# Altium PCB MB1635.PcbDoc (part 3 of 10) (continued)
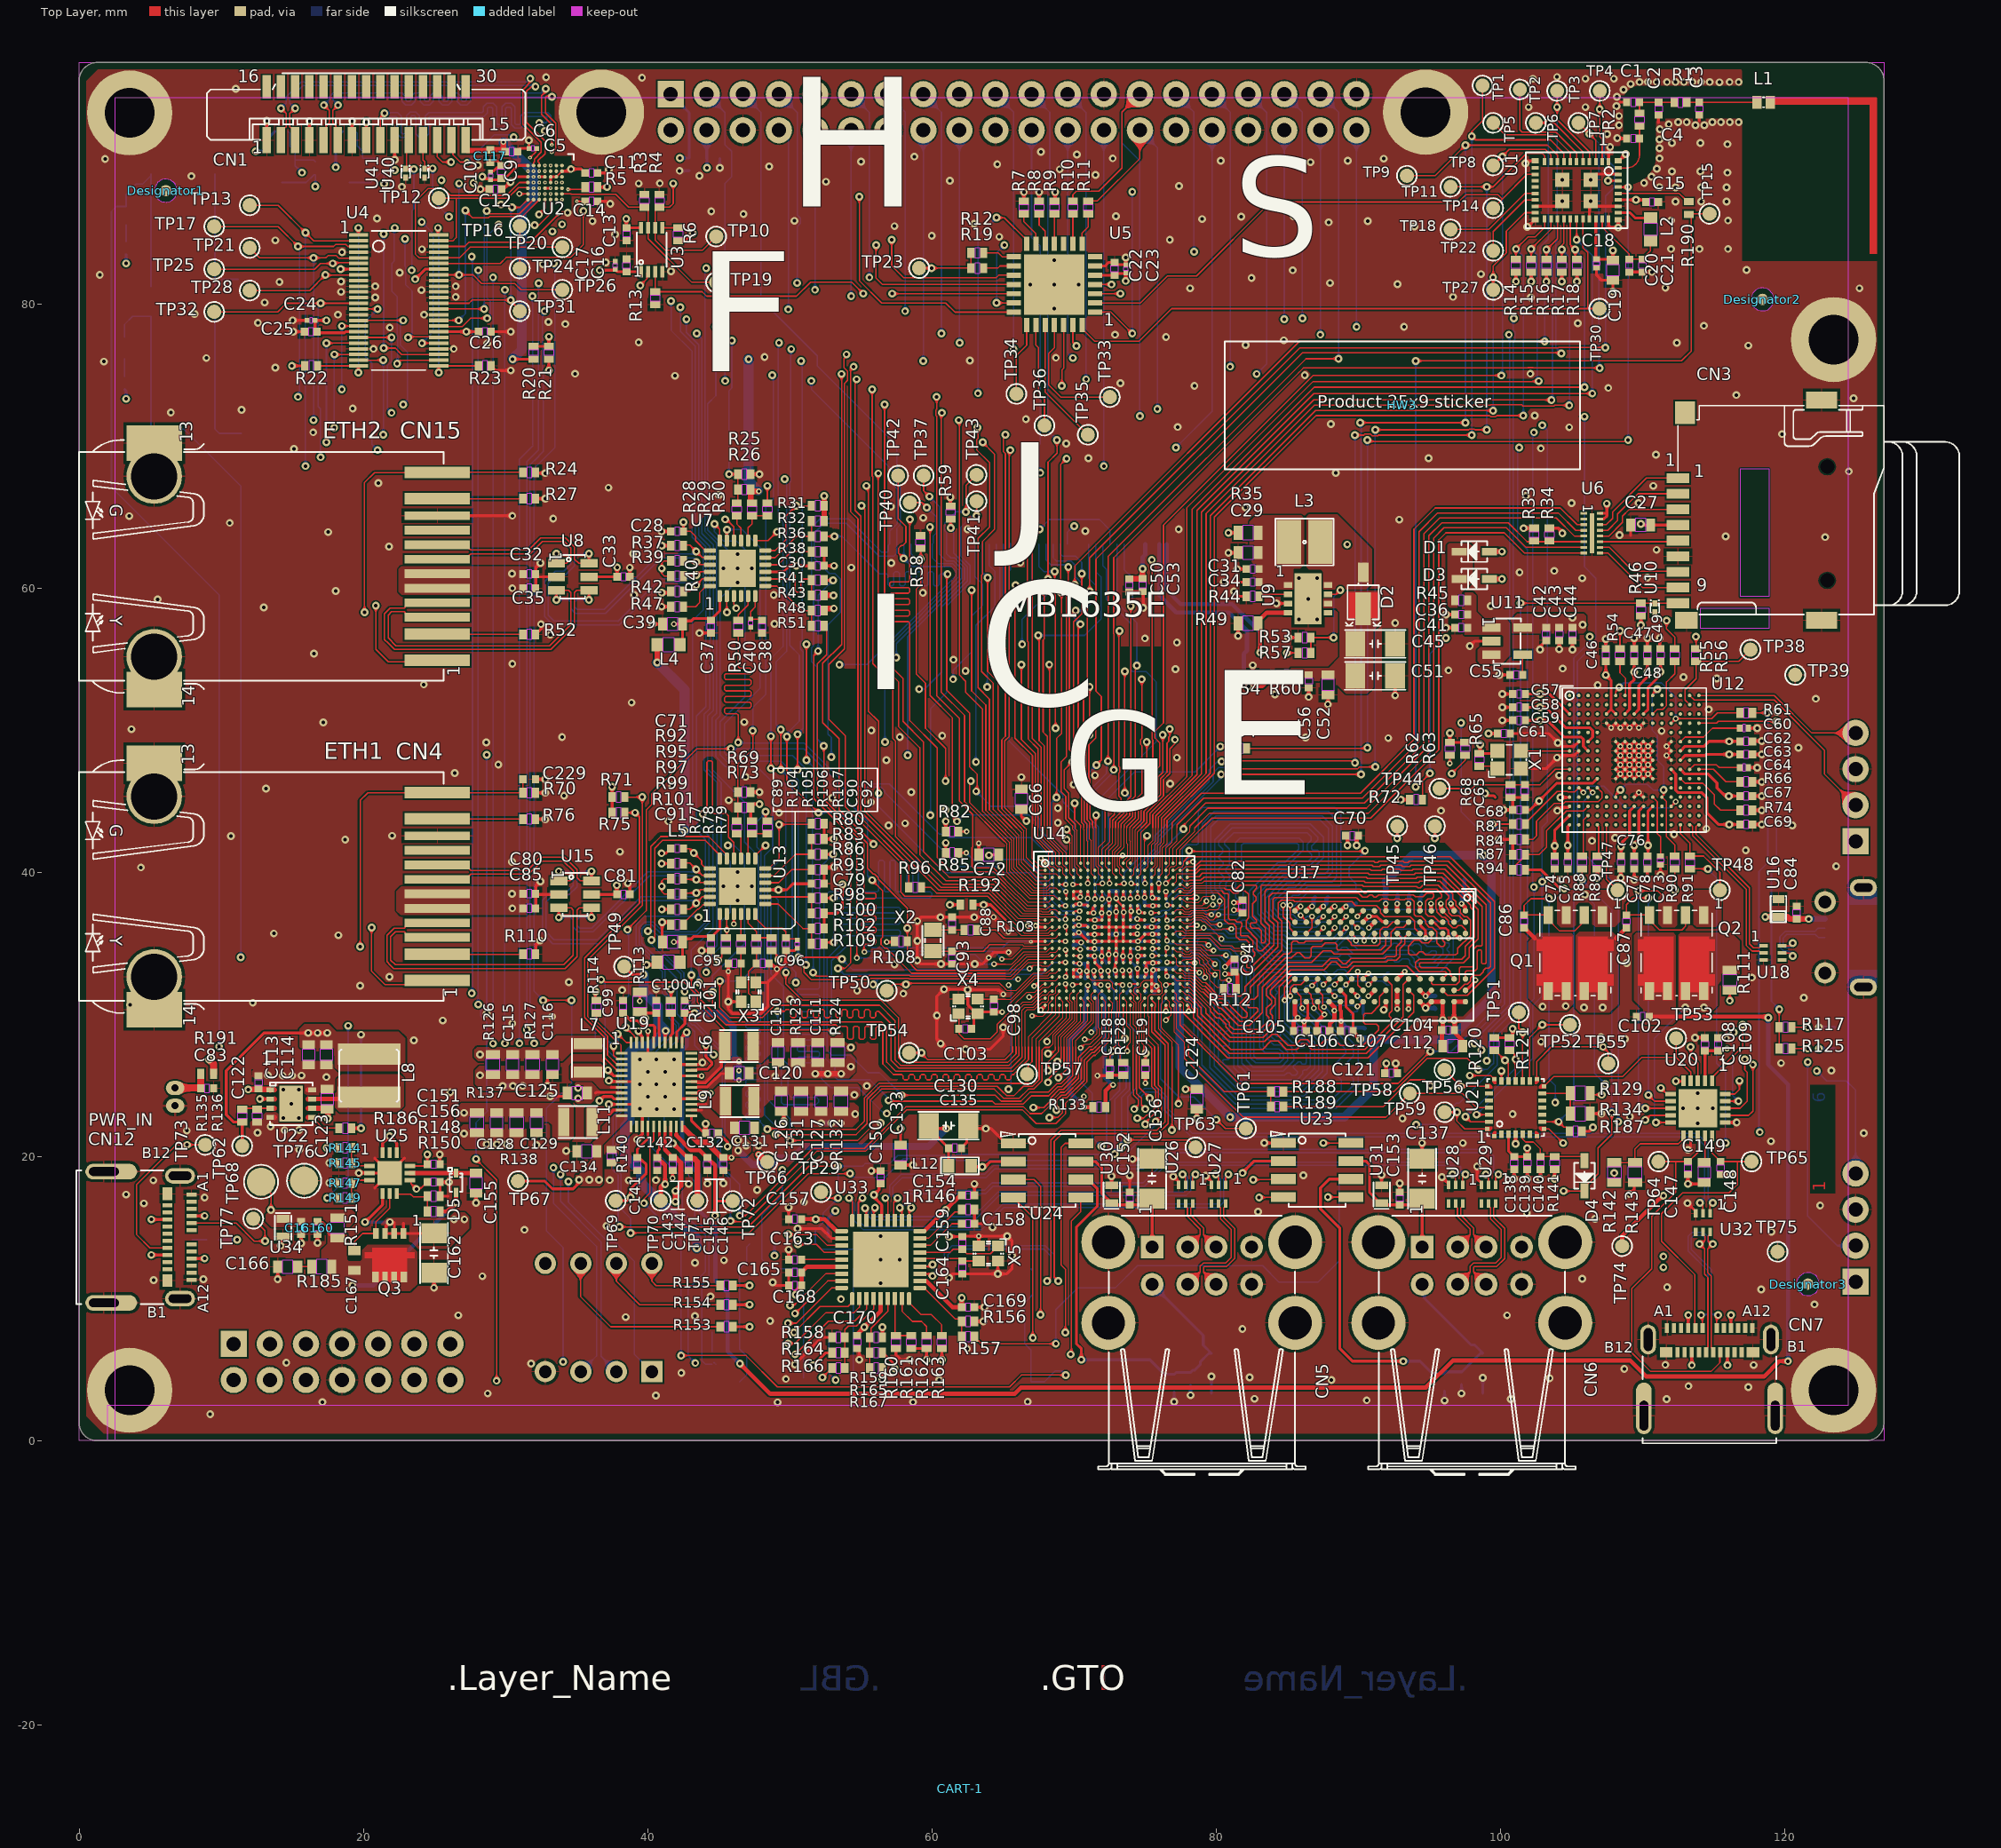
[diagram p0: Top Layer view]
## Nets (pads, with @x,y where several pads share a name; then routed paths per layer and width w, separated by ;. In a path a pad name is that pad's centre, name@x,y a point inside that pad or via, vN(x,y) a via of type N, cw(c..) or ccw(c..) an arc to the next point about the centre after c; other vN are vias at no path point) (continued)
  Top Layer w0.4: v1(118.65,36.875) U16.1@119.575,36.875 120.2,36.875 120.35,36.725 C84.2@120.85,36.725 v1(121.7,36.725)
  Signal Layer 4 w0.5: v1(100.125,60.65) 100.125,55.15 97.875,52.9 97.875,43.375 100.366,40.884 100.965,40.285 100.965,38.735 102.175,37.525 118,37.525 v1(118.65,36.875)
  Bottom Layer w0.4: v1(121.7,36.725) CN10.1@122.85,36.725
5V_VIN: C8.2 C86.2 C101.2 C120.2 C122.2 C123.2 C125.2 C130.2 C131.2 C134.2 C135.2 C143.2 C146.2 C162.1 CN8.2 CN8.4 D1.1 L12.1 Q1.5 Q1.6 Q3.1 Q3.2 Q3.3 R35.1 R152.2 TP67.1 U19.8 U19.12 U19.19 U19.22 U19.24 U19.28 U19.36 U22.1 U22.6 U25.4 | length 79.5
  Top Layer w0.2: v1(20.12,15.389) 21.345,16.614 U25.4@21.345,17.414 ; v1(21.87,15.389) 21.594,15.114 21.594,14.664 Q3.3@21.52,14.589 Q3.2@22.17,14.589 ; 22.17,15.364 Q3.2@22.17,14.589 ; 22.82,15.314 Q3.1@22.82,14.589 ; C162.1@24.97,14.614 24.945,14.589 Q3.1@22.82,14.589 ; TP67.1@30.875,18.275 32.75,18.275 33.3,17.725 34.75,17.725 35.175,18.15 v1(35.175,18.375) ; 36.34,24.475 36.391,24.526 38.124,24.526 U19.8@38.175,24.475 ; 41.225,21 U19.19@41.225,22.125 ; U19.36@42.025,28.025 42.052,28.052 42.052,28.777 42.625,29.35 C101.2@42.625,30.1 v1(43.3,30.1) ; 42.6,21.95 U19.22@42.425,22.125 42.609,22.125 ; U19.24@43.075,23.275 43.8,23.275 ; U19.28@43.075,24.875 43.48,24.875 43.506,24.901 44.204,24.901 45.15,25.847 45.747,25.847 C120.2@45.75,25.85 ; v1(61.025,21.975) 59.975,21.975 C130.2@59.775,22.175 59.775,22 C135.2@61.175,20.6 L12.1@61.175,19.35 ; v1(80.875,63.9) R35.1@81.55,63.9 ; Q3.2@22.17,14.589 Q3.1@22.82,14.589
  Top Layer w0.3: 41.225,21 41.225,20.475 C143.2@41.775,19.925 ; 42.6,21.85 42.6,21.95 ; D1.1@99.245,62.575 v1(100.125,62.575) ; C86.2@101.675,36.1 102.425,35.35
  Top Layer w0.35: v1(41.95,16.825) v1(41.95,17.575) 42.335,17.96 42.335,19.56 C143.2@41.97,19.925
  Top Layer w0.4: v1(11.9,24.725) 13.425,24.725 U22.1@13.45,24.7 ; U22.6@16.4,23.4 17.4,23.4 C123.2@17.45,23.35 17.525,23.275 17.5,23.25 v1(17.5,22.675) ; C143.2@41.775,19.925 C143.2@41.97,19.925 ; 42.6,21.95 43.55,21 44.15,21 C146.2@45.161,19.989 ; C146.2@45.25,19.925 v2(45.9,19.925)
  Signal Layer 1 w0.4: v1(35.175,18.375) v1(35.9,18.375) v1(36.575,18.375) ; v2(46.425,25.375) v2(46.425,26.05) v2(46.425,26.7)
  Signal Layer 2 w0.4: v2(46.425,25.375) v2(46.425,26.05) v2(46.425,26.7)
  Signal Layer 3 w0.4: v2(46.425,25.375) v2(46.425,26.05) v2(46.425,26.7)
  Signal Layer 4 w0.4: v2(46.425,25.375) v2(46.425,26.05) v2(46.425,26.7)
  Bottom Layer w0.2: R152.2@9.875,14.15 v1(11.125,14.15) ; v1(20.12,15.389) v1(21.87,15.389) ; CN8.4@44.16,92.23 44.16,90.24 C8.2@44.175,90.225 v1(44.175,89.575)
  Bottom Layer w0.4: v2(46.425,25.375) v2(46.425,26.05) v2(46.425,26.7)
  Bottom Layer w0.5: v1(43.3,30.1) 45.075,30.1 46.007,29.168 46.007,27.093 ; 46.007,27.732 46.007,27.093 ; v1(46.375,20.425) 47.375,19.425 48.675,19.425 49.15,19.9 50.2,19.9 51,20.7 59.75,20.7 v1(61.025,21.975) ; v2(46.425,26.7) 46.4,26.7 46.007,27.093
  other v1: 26.375,15.575 27.1,15.575 46.925,20.775 46.375,21.15 35.1,24.1 35.1,24.825 102.975,30.55 104.6,30.6
BOOT0: SW1.1 U14.Y17 | length 69.7
  Top Layer w0.075: U14.Y17@75.974,31.15 75.974,28.988 76.9,28.062 76.9,27.725
  Top Layer w0.1: v1(76.9,21.875) 76.9,27.725
  Signal Layer 2 w0.1: v1(34.425,18.25) 35.076,18.901 41.928,18.901 48.685,18.901 50.684,20.9 70.775,20.9 71.7,21.825 76.85,21.825 v1(76.9,21.875)
  Bottom Layer w0.1: v1(34.425,18.25) 34.425,16.8 37.286,13.939 37.761,13.939 39.075,12.625 39.075,6.09 SW1.1@40.3,4.865
BOOT1: SW1.2 U14.AA15 | length 67.3
  Top Layer w0.075: U14.AA15@74.974,30.65 74.975,29.471 75.115,29.331 75.115,28.285 75.675,27.725
  Top Layer w0.1: v1(75.025,22.275) 75.025,22.392 75.95,23.317 75.95,24.733 75.675,25.008 75.675,27.725
  Signal Layer 2 w0.1: v1(33.875,18.75) 33.877,18.75 34.277,19.15 48.65,19.15 50.2,20.7 ; 50.201,20.7 50.45,20.949 ; 50.45,20.95 50.825,21.325 70.858,21.325 71.808,22.275 v1(75.025,22.275)
  Bottom Layer w0.1: v1(33.875,18.75) 33.875,16.85 36.725,14 36.725,5.94 SW1.2@37.8,4.865
BOOT2: SW1.3 U14.Y15 | length 68.5
  Top Layer w0.075: U14.Y15@74.974,31.15 74.974,31.113 74.89,31.028 74.89,30.978 74.728,30.816 74.728,29.479 74.945,29.262 74.945,28.155 75.375,27.725
  Top Layer w0.1: v1(74.45,22.7) 74.895,22.7 75.12,22.925 75.201,22.925 75.45,23.174 ; 75.375,27.725 75.475,27.625 75.475,24.925 75.75,24.65 75.75,23.475 75.45,23.175
  Signal Layer 2 w0.1: v1(33.375,19.225) 33.525,19.375 47.776,19.375 49.6,21.199 49.6,21.301 49.849,21.55 50.201,21.55 50.226,21.525 70.775,21.525 71.95,22.7 v1(74.45,22.7)
  Bottom Layer w0.1: v1(33.375,19.225) 33.375,16.713 36.4,13.688 36.4,5.965 SW1.3@35.3,4.865
BT_DEV_WAKE: U1.39 U5.1 | length 47.8
  Top Layer w0.1: U5.1@71.475,79.425 72.6,79.425 v1(74.1,77.925) ; v1(107.575,88.675) U1.39@108.3,88.675
  Signal Layer 2 w0.1: v1(74.1,87.9) 74.175,87.825 106.725,87.825 v1(107.575,88.675)
  Bottom Layer w0.1: v1(74.1,77.925) v1(74.1,87.9)
BT_HOST_WAKE: R64.1 U1.38 | length 67.1
  Top Layer w0.1: R64.1@82.15,48.725 v1@90.65,48.725 ; v1(90.65,70.425) 90.772,70.425 90.872,70.325 108.716,70.325 108.73,70.339 108.914,70.339 v1(109,70.425) ; U1.38@108.3,88.225 v1(109,88.225)
  Bottom Layer w0.1: v1(90.65,70.425) 90.654,70.421 v1(90.654,48.777) ; v1(109,70.425) v1(109,88.225)
BT_PCM_CLK: TP11.1 U1.11 U14.E13 | length 80.3
  Top Layer w0.09: v2(73.975,38.15) U14.E13@73.975,38.65
  Top Layer w0.1: v1(81,47.425) 81.148,47.277 89.955,47.277 90.103,47.425 v1(91.2,47.425) ; v1(91.2,71.15) 97.774,71.15 97.824,71.2 98.176,71.2 98.226,71.15 v1(99.05,71.15) ; TP11.1@96.5,88.25 99.5,88.25 101.85,90.6 102.95,90.6 103.125,90.425 U1.11@103.125,90.025
  Bottom Layer w0.09: v2(73.975,38.15) 73.975,38.425 74.376,38.826 74.376,40.086 74.9,40.61 75.866,41.576 75.866,41.666 75.866,42.449 76.542,43.125
  Bottom Layer w0.1: 76.542,43.125 79.8,46.383 79.8,47 80.175,47.375 80.95,47.375 v1(81,47.425) ; v1(91.2,47.425) v1(91.2,71.15) ; v1(99.05,71.15) 99.05,81.899 99.075,81.924 99.075,82.276 99.05,82.301 v1(99.05,88.25)
BT_PCM_SDI: TP8.1 U1.10 U14.B13 | length 74.5
  Top Layer w0.075: 73.94,43.125 73.94,42.235 73.965,42.21 73.965,40.989 73.725,40.749 73.725,40.4 U14.B13@73.975,40.15
  Top Layer w0.1: 73.94,43.125 73.94,43.181 74.525,43.766 74.525,44.455 75.7,45.63 75.7,47.152 76.025,47.477 76.025,49.138 75.7,49.463 75.7,49.925 76.3,50.525 76.3,64.45 86.425,74.575 ; 86.426,74.575 86.675,74.824 ; 86.675,74.825 86.825,74.975 v1(100.075,74.975) ; TP8.1@99.5,89.75 100.625,90.875 103.175,90.875 103.575,90.475 U1.10@103.575,90.025
  Bottom Layer w0.1: v1(100.075,74.975) 100.15,75.05 v1(100.15,90.375)
BT_PCM_SDO: TP9.1 U1.9 U14.E14 | length 85.4
  Top Layer w0.09: v2@74.475,38.15 U14.E14@74.475,38.65
  Top Layer w0.1: v1(80.35,46.9) 90.075,46.9 v1@90.15,46.975 ; v1(90.15,71.65) v1(97.55,71.65) ; TP9.1@93.425,89.025 95.4,89.025 v1(97.55,91.175) 103.325,91.175 104.025,90.475 U1.9@104.025,90.025
  Bottom Layer w0.09: v2(74.475,38.225) 74.475,38.665 74.56,38.75 74.56,40.01 74.9,40.35 76.05,41.5 76.05,41.85 76.05,42.35 76.825,43.125
  Bottom Layer w0.1: 76.825,43.125 v1@80.35,46.65 ; v1@80.35,46.65 v1(80.35,46.9) ; v1(90.15,71.65) 90.204,71.596 v1(90.204,46.902) ; v1(97.55,71.65) v1(97.55,91.175)
BT_PCM_WS: TP1.1 U1.8 U14.D14 | length 85.1
  Top Layer w0.09: v2@74.075,39.15 U14.D14@74.475,39.15
  Top Layer w0.1: v1(80.4,47.8) 80.45,47.85 89.51,47.85 89.658,47.702 v1(89.779,47.702) ; v1(89.775,70.775) 90.399,70.775 90.474,70.85 90.863,70.85 90.988,70.725 91.376,70.725 91.426,70.775 v1(98,70.775) ; TP1.1@98.75,95.375 98.75,92.9 98,92.15 v1(98,91.8) 98.018,91.8 98.268,91.55 103.525,91.55 104.475,90.6 U1.8@104.475,90.025
  Bottom Layer w0.09: v2(74.025,39.225) 74.025,40 75.682,41.657 75.682,42.557 76.25,43.125
  Bottom Layer w0.1: 76.25,43.125 79.5,46.375 79.5,47.2 80.1,47.8 v1(80.4,47.8) ; v1(89.775,70.775) 89.779,70.771 v1(89.779,47.702) ; v1(98,70.775) v1(98,91.8)
BT_REG_ON: TP14.1 U1.14 U5.2 | length 35.9
  Top Layer w0.1: U5.2@71.475,80.075 74.675,80.075 76.575,81.975 78.625,81.975 83.825,87.175 97.05,87.175 97.575,87.7 99.825,87.7 100.138,87.388 ; TP14.1@99.5,86.75 100.138,87.388 ; U1.14@102.45,89.125 101.875,89.125 100.138,87.388
CAM_ENABLE: CN1.11 U5.20 U41.1 | length 57.9
  Top Layer w0.1: CN1.11@23.2,91.525 23.025,91.35 23.025,89.562 U41.1@22.975,89.512 22.988,89.5 v1(23.55,89.5) ; v1(64.555,80.075) U5.20@65.775,80.075
  Signal Layer 2 w0.1: v1(23.4,82.375) 25.2,82.375 26.6,83.775 55.849,83.775 55.899,83.725 64.675,83.725 v1(65.1,84.15)
  Bottom Layer w0.1: v1(23.4,82.375) 23.4,86.55 23.55,86.7 v1(23.55,89.5) ; v1(64.555,80.075) 64.555,83.605 v1(65.1,84.15)
CAM_RESET: CN1.12 U5.21 U40.1 | length 53.6
  Top Layer w0.1: CN1.12@24.2,91.525 24.2,90.125 24.325,90 24.325,89.55 U40.1@24.3,89.525 ; U40.1@24.325,89.538 v1(24.875,89.538) ; v1(54.9,87.55) 54.9,81.65 56.475,80.075 60.975,80.075 61.625,79.425 U5.21@65.775,79.425
  Signal Layer 2 w0.1: v1(26.025,86.15) 26.05,86.125 28.931,86.125 29.181,86.375 30.7,86.375 31.875,87.55 v1(54.9,87.55)
  Bottom Layer w0.1: v1(24.875,89.538) 24.875,87.3 v1(26.025,86.15)
CC1: R147.2 R149.1 U25.3 | length 2.4
  Top Layer w0.1: R149.1@19.17,17.089 R147.2@19.17,18.139 19.37,18.339 U25.3@20.42,18.339
CC2: R144.1 R145.2 U25.1 | length 2.4
  Top Layer w0.1: R144.1@19.17,20.625 19.17,19.55 19.37,19.35 U25.1@20.42,19.35
CLK_N: CN1.8 U2.E2 | length 28.8
  Top Layer w0.09: CN1.8@20.2,91.525 v1(20.2,92.8)
  Signal Layer 1 w0.075: v3(32.375,89.35) 32.346,89.379 32.346,89.514 32.09,89.77 32.09,91.45 32.356,91.717 32.356,92.731 v1(32.376,92.751)
  Bottom Layer w0.09: v1(20.2,92.8) 20.283,92.8 20.483,93 21.725,93 21.925,93.2 21.943,93.2 22.297,93.2 22.395,93.103 22.395,91.975 22.644,91.725 23.055,91.725 23.305,91.975 23.305,93.144 23.402,93.242 23.597,93.242 23.695,93.144 23.695,91.975 23.944,91.725 24.355,91.725 24.605,91.975 24.605,93.103 24.702,93.2 24.823,93.2 27.475,93.2 28.467,93.2 28.717,93.45 28.717,93.761 28.814,93.859 29.009,93.859 29.107,93.761 29.107,92.631 29.356,92.381 29.767,92.381 30.017,92.631 30.017,93.761 30.114,93.859 30.309,93.859 30.407,93.761 30.407,92.631 30.656,92.381 31.067,92.381 31.317,92.631 31.317,93.103 31.414,93.2 31.535,93.2 32.872,93.2 32.925,93.147 32.925,92.825 32.859,92.759 32.384,92.759 v1(32.376,92.751)
CLK_P: CN1.9 U2.D1 | length 27.9
  Top Layer w0.09: CN1.9@21.2,91.525 21.2,93.15 v1(21.475,93.425)
  Signal Layer 1 w0.075: v3(32.775,89.75) 32.746,89.779 32.611,89.779 32.465,89.925 32.465,91.295 32.731,91.561 32.731,92.131 v1(32.775,92.175)
  Bottom Layer w0.09: v1(21.475,93.425) 21.51,93.46 21.943,93.46 22.405,93.46 22.655,93.21 22.655,92.082 22.752,91.985 22.947,91.985 23.045,92.082 23.045,93.252 23.294,93.502 23.705,93.502 23.955,93.252 23.955,92.082 24.052,91.985 24.247,91.985 24.345,92.082 24.345,93.21 24.594,93.46 24.823,93.46 27.475,93.46 28.359,93.46 28.457,93.557 28.457,93.869 28.706,94.119 29.117,94.119 29.367,93.869 29.367,92.738 29.464,92.641 29.659,92.641 29.757,92.738 29.757,93.869 30.006,94.119 30.417,94.119 30.667,93.869 30.667,92.738 30.764,92.641 30.959,92.641 31.057,92.738 31.057,93.21 31.306,93.46 31.535,93.46 32.98,93.46 33.185,93.255 33.185,92.585 v1(32.775,92.175)
DATA1_N: CN1.2 U2.F1 | length 28.4
  Top Layer w0.09: CN1.2@14.2,91.525 14.2,92.15 14.455,92.405 14.517,92.405 14.57,92.458 14.57,93.405 v1(14.2,93.775) ; v1(31.75,95.875) 31.75,95.704 31.8,95.654 31.225,95.079 31.225,92.673 32.52,91.378 32.52,90.688 32.04,90.208 32.04,89.99 31.985,89.935 31.985,89.76 U2.F1@31.975,89.75
  Bottom Layer w0.09: v1(14.2,93.775) 14.57,94.145 14.57,94.563 15.642,95.635 17.467,95.635 31.485,95.635 31.725,95.875 v1(31.75,95.875)
DATA1_P: CN1.3 U2.E1 | length 27.8
  Top Layer w0.09: CN1.3@15.2,91.525 15.2,92.15 14.945,92.405 14.883,92.405 14.83,92.458 14.83,93.405 v1(15.2,93.775) ; v1(32.1,95.3) 31.814,95.3 31.485,94.971 31.485,92.781 32.78,91.486 32.78,90.58 32.3,90.1 32.3,90.02 32.375,89.945 U2.E1@32.375,89.75
  Bottom Layer w0.09: v1(15.2,93.775) 14.83,94.145 14.83,94.455 15.75,95.375 17.575,95.375 32.025,95.375 v1(32.1,95.3)
DATA2_N: CN1.5 U2.D2 | length 29.2
  Top Layer w0.09: CN1.5@17.2,91.525 17.377,91.702 17.377,92.532 17.595,92.75 17.595,93.63 v1(17.225,94) ; v1(32.825,95.15) 32.825,94.929 32.55,94.654 32.55,93.775 32.55,93.342 33.265,92.627 v3@33.265,91.2
  Signal Layer 1 w0.075: v3(32.775,89.35) 32.825,89.35 32.9,89.425 33.315,89.425 33.849,89.959 33.849,90.621 33.415,91.055 33.27,91.2 v3(33.26,91.2)
  Bottom Layer w0.09: v1(17.225,94) 17.595,94.37 17.595,94.558 17.872,94.835 21.845,94.835 22.724,94.835 22.974,94.585 22.974,94.367 23.071,94.27 23.266,94.27 23.364,94.367 23.364,94.609 23.613,94.859 24.024,94.859 24.274,94.609 24.274,94.367 24.371,94.27 24.566,94.27 24.664,94.367 24.664,94.609 24.913,94.859 25.324,94.859 25.574,94.609 25.574,94.367 25.671,94.27 25.866,94.27 25.964,94.367 25.964,94.609 26.213,94.859 26.624,94.859 26.874,94.609 26.874,94.367 26.971,94.27 27.166,94.27 27.264,94.367 27.264,94.585 27.513,94.835 28.557,94.835 32.51,94.835 v1(32.825,95.15)
DATA2_P: CN1.6 U2.C1 | length 27.8
  Top Layer w0.09: CN1.6@18.2,91.525 18.073,91.652 18.073,92.532 17.855,92.75 17.855,93.63 v1(18.225,94) ; v3(33.26,90.68) 33.535,90.955 33.535,91.314 33.525,91.324 33.525,92.735 32.81,93.45 32.81,94.546 32.889,94.625 33.225,94.625 v1(33.275,94.575)
  Signal Layer 1 w0.075: v3(33.175,89.75) 33.474,90.049 33.474,90.466 v3(33.26,90.68)
  Bottom Layer w0.09: v1(18.225,94) 17.855,94.37 17.855,94.45 17.98,94.575 21.845,94.575 22.616,94.575 22.714,94.478 22.714,94.26 22.963,94.01 23.374,94.01 23.624,94.26 23.624,94.502 23.721,94.599 23.916,94.599 24.014,94.502 24.014,94.26 24.263,94.01 24.674,94.01 24.924,94.26 24.924,94.502 25.021,94.599 25.216,94.599 25.314,94.502 25.314,94.26 25.563,94.01 25.974,94.01 26.224,94.26 26.224,94.502 26.321,94.599 26.516,94.599 26.614,94.502 26.614,94.26 26.863,94.01 27.274,94.01 27.524,94.26 27.524,94.478 27.621,94.575 28.557,94.575 v1(33.275,94.575)
DCMI_D0: TP32.1 U4.13 U14.A2 | length 100.5
  Top Layer w0.075: 67.475,43.125 67.475,42.388 68.475,41.388 U14.A2@68.475,40.65
  Top Layer w0.1: TP32.1@9.5,79.45 13.975,79.45 14.575,80.05 v1(17,80.05) U4.13@19.65,80.05 ; v1(66.775,69.225) 66.725,69.175 66.725,56.276 66.775,56.226 66.775,49.4 67.478,48.697 67.478,43.26 67.475,43.257 67.475,43.125
  Signal Layer 2 w0.219: v1(17,69.225) v1(66.775,69.225)
  Bottom Layer w0.1: v1(17,69.225) 16.975,69.25 16.975,72.631 16.825,72.781 16.825,79.766 17,79.941 v1(17,80.05)
DCMI_D1: U4.14 U14.B1 | length 87.7
  Top Layer w0.075: 66.55,43.125 66.65,43.025 66.65,41.05 67.55,40.15 U14.B1@67.975,40.15
  Top Layer w0.1: U4.14@19.65,79.65 v1(21,79.65) ; v1(65.525,69.725) 65.45,69.65 65.45,49.575 65.125,49.25 65.125,44.55 66.55,43.125
  Signal Layer 2 w0.219: v1(21,69.725) v1(65.525,69.725)
  Bottom Layer w0.1: v1(21,69.725) 20.6,70.125 20.6,75.85 20.125,76.325 20.125,78.775 v1(21,79.65)
DCMI_D2: U4.16 U14.G2 | length 86.8
  Top Layer w0.075: 65.175,38.917 66.647,37.445 67.769,37.445 67.811,37.404 68.079,37.404 68.314,37.639 68.464,37.639 U14.G2@68.475,37.65
  Top Layer w0.1: U4.16@19.65,78.85 v1(22.8,78.85) ; v1(56.675,72.925) 56.675,54.95 57.975,53.65 57.975,50.625 59.4,49.2 59.4,41.475 61.2,39.675 64.417,39.675 65.175,38.917
  Signal Layer 2 w0.219: v1(22.8,72.925) v1(56.675,72.925)
  Bottom Layer w0.1: v1(22.8,72.925) 23.1,73.225 23.1,76.619 22.6,77.119 22.6,78.566 22.8,78.766 v1(22.8,78.85)
DCMI_D3: U4.17 U14.H2 | length 88.4
  Top Layer w0.075: 65.175,38.325 66.393,37.107 67.629,37.107 67.671,37.066 68.353,37.066 68.438,37.15 U14.H2@68.475,37.15
  Top Layer w0.1: v1(18.475,78.45) U4.17@19.65,78.45 ; v1(55.8,74) 55.8,67.899 55.85,67.849 55.85,54.7 57.25,53.3 57.25,49.424 57.45,49.224 57.45,42.5 60.775,39.175 64.325,39.175 65.175,38.325
  Signal Layer 2 w0.219: v1(18.475,74) v1(55.8,74)
  Bottom Layer w0.1: v1(18.475,74) v1(18.475,78.45)
DCMI_D4: U4.19 U14.F3 | length 85.3
  Top Layer w0.075: 65.175,42.124 65.29,42.009 65.29,40.01 66.903,38.397 68.578,38.397 68.814,38.161 68.964,38.161 U14.F3@68.975,38.15
  Top Layer w0.1: U4.19@19.65,77.65 v1(21.975,77.65) ; v1(60.7,72.35) 60.65,72.3 60.65,52.7 62.3,51.05 62.3,44.992 65.092,42.2 65.099,42.2 65.175,42.124
  Signal Layer 2 w0.219: v1(21.975,72.35) v1(60.7,72.35)
  Bottom Layer w0.1: v1(21.975,72.35) 21.7,72.625 21.7,75.675 21.975,75.95 v1(21.975,77.65)
DCMI_D5: U4.20 U14.C2 | length 89.8
  Top Layer w0.075: 65.625,43.125 66.14,42.61 66.14,40.585 67.325,39.4 68.225,39.4 U14.C2@68.475,39.65
  Top Layer w0.1: v1(17.4,77.25) U4.20@19.65,77.25 ; v1(63.575,70.275) 64.4,69.45 64.4,64.125 63.575,63.3 63.575,61.001 63.5,60.926 63.5,54.125 64.325,53.3 64.325,44.425 65.625,43.125
  Signal Layer 2 w0.219: v1(17.4,70.275) v1(63.575,70.275)
  Bottom Layer w0.1: v1(17.4,70.275) v1(17.4,77.25)
DCMI_D6: U4.22 U14.D1 | length 87.4
  Top Layer w0.075: 65.325,43.125 65.97,42.48 65.97,40.43 67.25,39.15 U14.D1@67.975,39.15
  Top Layer w0.1: v1(17.95,76.45) U4.22@19.65,76.45 ; v1(63.2,71.3) 63.25,71.25 63.25,70.551 63.15,70.451 63.15,69.743 64.075,68.818 64.075,64.327 63.25,63.502 63.25,53 64.05,52.2 64.05,44.4 65.325,43.125
  Signal Layer 2 w0.219: v1(17.95,71.3) v1(63.2,71.3)
  Bottom Layer w0.1: v1(17.95,71.3) v1(17.95,76.45)
DCMI_D7: U4.23 U14.C3 | length 84.6
  Top Layer w0.075: 66.267,43.125 66.48,42.912 66.48,40.845 67.425,39.9 68.725,39.9 U14.C3@68.975,39.65
  Top Layer w0.1: U4.23@19.65,76.05 v1(21.4,76.05) ; v1(65.175,70.8) 65.175,70.678 65.025,70.528 65.025,69.624 65.175,69.474 65.175,49.583 64.925,49.333 64.925,44.467 66.267,43.125
  Signal Layer 2 w0.219: v1(21.4,70.8) v1(65.175,70.8)
  Bottom Layer w0.1: v1(21.4,70.8) v1(21.4,76.05)
DCMI_HSYNC: TP21.1 U4.5 U14.E3 | length 102.2
  Top Layer w0.075: 65.175,42.7 65.63,42.245 65.63,40.22 67.115,38.735 68.15,38.735 68.315,38.9 68.725,38.9 U14.E3@68.975,38.65
  Top Layer w0.1: TP21.1@12,83.95 12.7,83.25 v1(16.5,83.25) 17.35,83.25 17.5,83.4 18.1,83.4 18.275,83.225 19.625,83.225 U4.5@19.65,83.25 ; v1(61.9,71.825) 61.95,71.775 61.95,53.875 62.375,53.45 62.375,52.675 63.575,51.475 63.575,44.3 65.175,42.7
  Signal Layer 2 w0.219: v1(16.5,71.825) v1(61.9,71.825)
  Bottom Layer w0.1: v1(16.5,71.825) v1(16.5,83.25)
DCMI_PIXCLK: TP13.1 U4.2 U14.C6 | length 109.4
  Top Layer w0.075: 69.9,43.125 69.9,43.044 70.059,42.884 70.059,40.414 70.221,40.252 70.221,40.229 70.225,40.225 70.225,39.9 U14.C6@70.475,39.65
  Top Layer w0.1: TP13.1@12,86.95 14,86.95 v1(15.925,85.025) 16.5,84.45 U4.2@19.65,84.45 ; v1(69.475,69.125) 69.075,68.725 69.075,60.347 69.503,59.919 69.503,59.527 69.475,59.499 69.475,48.15 69.1,47.775 69.1,45.675 69.425,45.35 69.425,43.75 69.9,43.275 69.9,43.125
  Signal Layer 2 w0.219: v1(15.925,68.6) 66.868,68.6 67.393,69.125 v1(69.475,69.125)
  Bottom Layer w0.1: v1(15.925,68.6) v1(15.925,85.025)
DCMI_VSYNC: TP17.1 U4.3 U14.F2 | length 107.4
  Top Layer w0.075: 65.175,39.483 65.579,39.079 65.579,39.071 66.75,37.9 68.225,37.9 U14.F2@68.475,38.15
  Top Layer w0.1: TP17.1@9.5,85.45 14,85.45 v1(15.4,84.05) 17.9,84.05 18.05,84.2 18.75,84.2 18.9,84.05 U4.3@19.65,84.05 ; v1(60.325,73.475) 60.35,73.45 60.35,72.601 60.275,72.526 60.275,72.174 60.35,72.099 60.35,52.425 61.95,50.825 61.95,45 62.875,44.075 62.875,41.802 62.83,41.757 62.83,40.414 62.919,40.325 64.333,40.325 65.175,39.483
  Signal Layer 2 w0.219: v1(15.4,73.475) v1(60.325,73.475)
  Bottom Layer w0.1: v1(15.4,73.475) 15.4,73.597 15.5,73.697 15.5,83.766 15.486,83.78 15.486,83.964 v1(15.4,84.05)
DDR_A0: U14.H20 U17.N3 | length 30.1
  Top Layer w0.075: U14.H20@77.47,37.145 77.643,37.145 77.719,37.069 77.729,37.069 77.733,37.066 78.217,37.066 78.22,37.069 78.315,37.163 79.129,37.163 79.233,37.06 v2@79.59,37.06
  Top Layer w0.09: U17.N3@87.945,35.695 v2(88.35,36.1)
  Bottom Layer w0.09: v2@79.662,37 80.032,37.37 80.558,37.37 80.83,37.642 80.83,38.1 80.938,38.208 80.938,38.633 80.69,38.88 80.69,39.26 80.95,39.52 80.95,39.788 80.675,40.063 80.675,40.25 80.938,40.513 80.938,41.637 80.6,41.975 80.6,42.15 81.25,42.8 86.405,42.8 86.702,42.502 86.702,42.252 86.415,41.965 86.415,41.56 86.725,41.25 86.725,41.02 86.465,40.76 85.732,40.76 85.087,40.115 84.595,40.115 82.93,38.45 82.93,37.098 84.148,35.88 84.916,35.88 85.257,35.54 87.79,35.54 v2(88.35,36.1)
  other v2: 79.675,37.025
DDR_A1: U14.N21 U17.P7 | length 29.9
  Top Layer w0.075: U14.N21@77.975,34.65 78.013,34.65 78.093,34.73 78.892,34.73 79.467,34.155 v2@80.755,34.155
  Top Layer w0.09: v2(86.75,32.025) 87.15,32.425 U17.P7@87.15,32.5
  Bottom Layer w0.09: v2(80.7,34.175) 80.7,34.173 81.285,33.588 81.285,33.1 81.535,32.85 81.535,26.379 81.657,26.257 81.738,26.257 82.057,25.938 82.057,25.857 82.195,25.719 84.828,25.719 85.009,25.9 85.175,25.9 85.356,25.719 85.593,25.719 85.725,25.851 85.725,25.975 85.454,26.246 85.454,26.346 85.784,26.675 85.925,26.675 86.075,26.525 86.275,26.525 86.35,26.6 86.35,27.2 86.275,27.275 85.75,27.275 85.62,27.405 85.62,27.595 85.7,27.675 86.15,27.675 86.219,27.744 86.219,27.919 86.117,28.02 85.377,28.02 84.698,28.698 84.598,28.698 84.525,28.625 84.525,28.545 84.425,28.445 84.295,28.445 84.19,28.55 84.19,31.395 84.3,31.505 84.3,31.6 84.19,31.71 84.19,31.85 84.425,32.085 84.7,32.085 84.85,31.935 85.21,31.935 85.36,32.085 85.565,32.085 85.625,32.025 85.625,31.81 85.695,31.74 86.21,31.74 86.26,31.79 86.26,31.95 86.335,32.025 v2(86.75,32.025)
DDR_A2: U14.G20 U17.P3 | length 30.3
  Top Layer w0.075: U14.G20@77.47,37.645 77.48,37.635 77.634,37.635 77.861,37.407 77.869,37.407 77.873,37.404 78.077,37.404 78.176,37.503 79.366,37.503 79.535,37.672 79.722,37.672 v2(79.775,37.725)
  Top Layer w0.09: U17.P3@87.145,35.695 v2(87.55,36.1)
  Bottom Layer w0.09: v2(79.775,37.725) 79.875,37.625 80.388,37.625 80.595,37.832 80.595,38.565 80.25,38.91 80.25,39.23 80.575,39.555 80.575,39.67 80.195,40.05 80.195,40.245 80.5,40.55 80.5,40.7 80.195,41.005 80.195,41.12 80.475,41.4 80.475,41.62 80.195,41.9 80.195,42.185 81.13,43.12 86.495,43.12 87.15,42.465 87.15,42.29 86.705,41.845 86.705,41.68 86.81,41.575 87.125,41.575 87.26,41.44 87.26,41.145 86.585,40.47 85.852,40.47 85.207,39.825 84.715,39.825 83.22,38.33 83.22,37.19 84.24,36.17 85.036,36.17 85.377,35.83 87.347,35.83 87.4,35.882 87.4,35.892 87.55,36.042 v2(87.55,36.1)
DDR_A3: U14.H19 U17.N2 | length 30.8
  Top Layer w0.075: U14.H19@76.97,37.145 77.224,37.399 77.629,37.399 77.79,37.238 77.799,37.238 77.803,37.235 78.147,37.235 78.245,37.333 79.45,37.333 79.497,37.38 80.105,37.38 80.25,37.525 v2(80.25,37.975)
  Top Layer w0.09: U17.N2@87.945,36.495 v2(88.35,36.9)
  Bottom Layer w0.09: v2(80.25,37.975) 80.25,38.5 79.905,38.845 79.905,42.305 81.01,43.41 86.615,43.41 87.55,42.475 87.55,41.025 86.705,40.18 85.972,40.18 85.327,39.535 84.835,39.535 83.51,38.21 83.51,37.282 84.332,36.46 85.156,36.46 85.492,36.125 87.025,36.125 87.4,36.5 87.95,36.5 v2(88.35,36.9)
DDR_A4: U14.R19 U17.P8 | length 30.6
  Top Layer w0.09: U17.P8@87.15,31.7 87.489,31.361 87.489,30.72 87.6,30.609 v2(87.6,30.525)
  Top Layer w0.1: v2(76.55,33.675) 76.563,33.663 76.962,33.663 U14.R19@76.975,33.65
  Bottom Layer w0.09: v2(76.55,33.675) 76.558,33.683 77.567,33.683 77.8,33.45 77.8,31.1 78.425,30.475 78.425,26.192 81.219,23.398 88.448,23.398 90,24.95 90,27.629 88.45,29.179 88.45,29.662 87.98,30.132 87.98,30.195 87.65,30.525 v2(87.6,30.525)
DDR_A5: U14.F20 U17.P2 | length 30.1
  Top Layer w0.075: U14.F20@77.47,38.145 77.479,38.136 77.635,38.136 77.871,37.9 78.31,37.9 78.33,37.88 78.768,37.88 78.974,38.086 78.974,38.174 79.123,38.323 79.618,38.323 79.716,38.225 v2(79.8,38.225)
  Top Layer w0.09: U17.P2@87.145,36.495 v2(87.55,36.9)
  Bottom Layer w0.09: v2(79.8,38.225) 79.8,38.515 79.615,38.7 79.615,43.19 80.125,43.7 87.3,43.7 87.905,43.095 87.905,40.13 87.665,39.89 86.092,39.89 85.447,39.245 84.962,39.245 83.8,38.083 83.8,37.373 84.423,36.75 85.277,36.75 85.641,36.386 86.316,36.386 86.41,36.48 86.818,36.48 87.238,36.9 v2(87.55,36.9)
DDR_A6: U14.R21 U17.R8 | length 29.8
  Top Layer w0.09: U14.R21@77.974,33.65 78.5,33.65 v2(78.5,33.625) ; U17.R8@86.35,31.7 86.675,31.375 86.675,31.178 86.775,31.078 86.775,30.801 86.875,30.701 v2(86.875,30.45)
  Bottom Layer w0.09: v2(78.5,33.625) 78.208,33.625 78.09,33.507 78.09,31.22 78.715,30.595 78.715,26.312 81.339,23.688 88.328,23.688 89.66,25.02 89.66,25.465 89.25,25.875 89.25,26.665 89.66,27.075 89.66,27.559 88.16,29.059 88.16,29.39 87.95,29.6 87.447,29.6 87.28,29.767 87.28,29.967 86.85,30.397 86.875,30.422 v2(86.875,30.45)
DDR_A7: U14.J17 U17.R2 | length 31.4
  Top Layer w0.09: v2@75.47,36.645 U14.J17@75.97,36.645 ; v2@75.525,36.65 v2(75.55,36.65) U14.J17@75.975,36.65 ; v2(85.95,36.975) 86.35,36.575 U17.R2@86.35,36.5
  Bottom Layer w0.09: v2(75.55,36.65) 75.774,36.875 76.187,36.875 76.382,37.07 76.929,37.07 77.61,37.751 77.61,38.11 78.4,38.9 78.4,40.287 79.035,40.922 79.035,43.43 79.885,44.28 87.895,44.28 88.485,43.69 88.485,39.635 88.16,39.31 86.333,39.31 85.688,38.665 85.202,38.665 84.38,37.843 84.38,37.557 84.607,37.33 85.595,37.33 v2(85.95,36.975)
DDR_A8: U14.P19 U17.T8 | length 31
  Top Layer w0.075: U14.P19@76.975,34.15 77.225,33.9 77.225,33.5 77.325,33.4 78.175,33.4 78.295,33.28 78.667,33.28 78.682,33.295 78.968,33.295 79.17,33.093 79.17,32.655 v2(79.225,32.6)
  Top Layer w0.09: U17.T8@85.55,31.7 85.975,31.275 85.975,30.55 v2(86.075,30.45)
  Bottom Layer w0.09: v2(79.225,32.6) 78.55,32.6 78.38,32.43 78.38,31.34 79.005,30.715 79.005,26.432 81.459,23.979 83.35,23.979 ; 83.35,23.978 87.225,23.978 ; v2(86.075,30.45) 86.075,30.4 86.05,30.375 86.26,30.165 86.472,30.165 87.437,29.2 87.609,29.2 88.525,28.284 88.525,28.15 89.125,27.55 89.125,27.25 88.25,26.375 88.25,25.95 88.8,25.4 88.8,24.675 88.103,23.978 87.246,23.978
DDR_A9: U14.G21 U17.R3 | length 29.5
  Top Layer w0.075: U14.G21@77.975,37.65 77.998,37.673 79.023,37.673 v2(79.325,37.975)
  Top Layer w0.09: U17.R3@86.345,35.695 86.75,36.1 v2(86.75,36.9)
  Bottom Layer w0.09: v2(79.325,37.975) 79.325,43.31 80.005,43.99 87.46,43.99 88.195,43.255 88.195,40.01 87.785,39.6 86.212,39.6 85.567,38.955 85.082,38.955 84.09,37.963 84.09,37.465 84.515,37.04 85.397,37.04 85.807,36.63 86.15,36.63 86.42,36.9 v2(86.75,36.9)
DDR_A10: U14.L18 U17.L7 | length 31.5
  Top Layer w0.09: v2(89.145,32.095) U17.L7@89.545,32.495
  Top Layer w0.1: U14.L18@76.475,35.65 76.475,35.356 76.55,35.281 v2(76.55,35.2)
  Bottom Layer w0.09: v2(76.55,35.2) 76.775,34.975 77.725,34.975 78.435,34.265 78.885,34.265 78.995,34.155 80.218,34.155 80.678,33.695 80.768,33.695 80.995,33.468 80.995,32.98 81.245,32.73 81.245,31.52 81.098,31.373 81.098,31.277 81.245,31.13 81.245,30.62 81.035,30.41 81.035,30.335 81.245,30.125 81.245,28.825 81.15,28.73 81.15,28.575 81.245,28.48 81.245,26.259 82.075,25.429 85.713,25.429 86.105,25.82 86.105,26.005 86.208,26.108 86.392,26.108 86.64,26.355 86.64,27.907 86.237,28.31 85.497,28.31 84.48,29.327 84.48,31.143 84.982,31.645 85.38,31.645 85.575,31.45 88,31.45 88.287,31.737 88.787,31.737 v2(89.145,32.095)